# KiCad board SCART_switcher.kicad_pcb (continued)
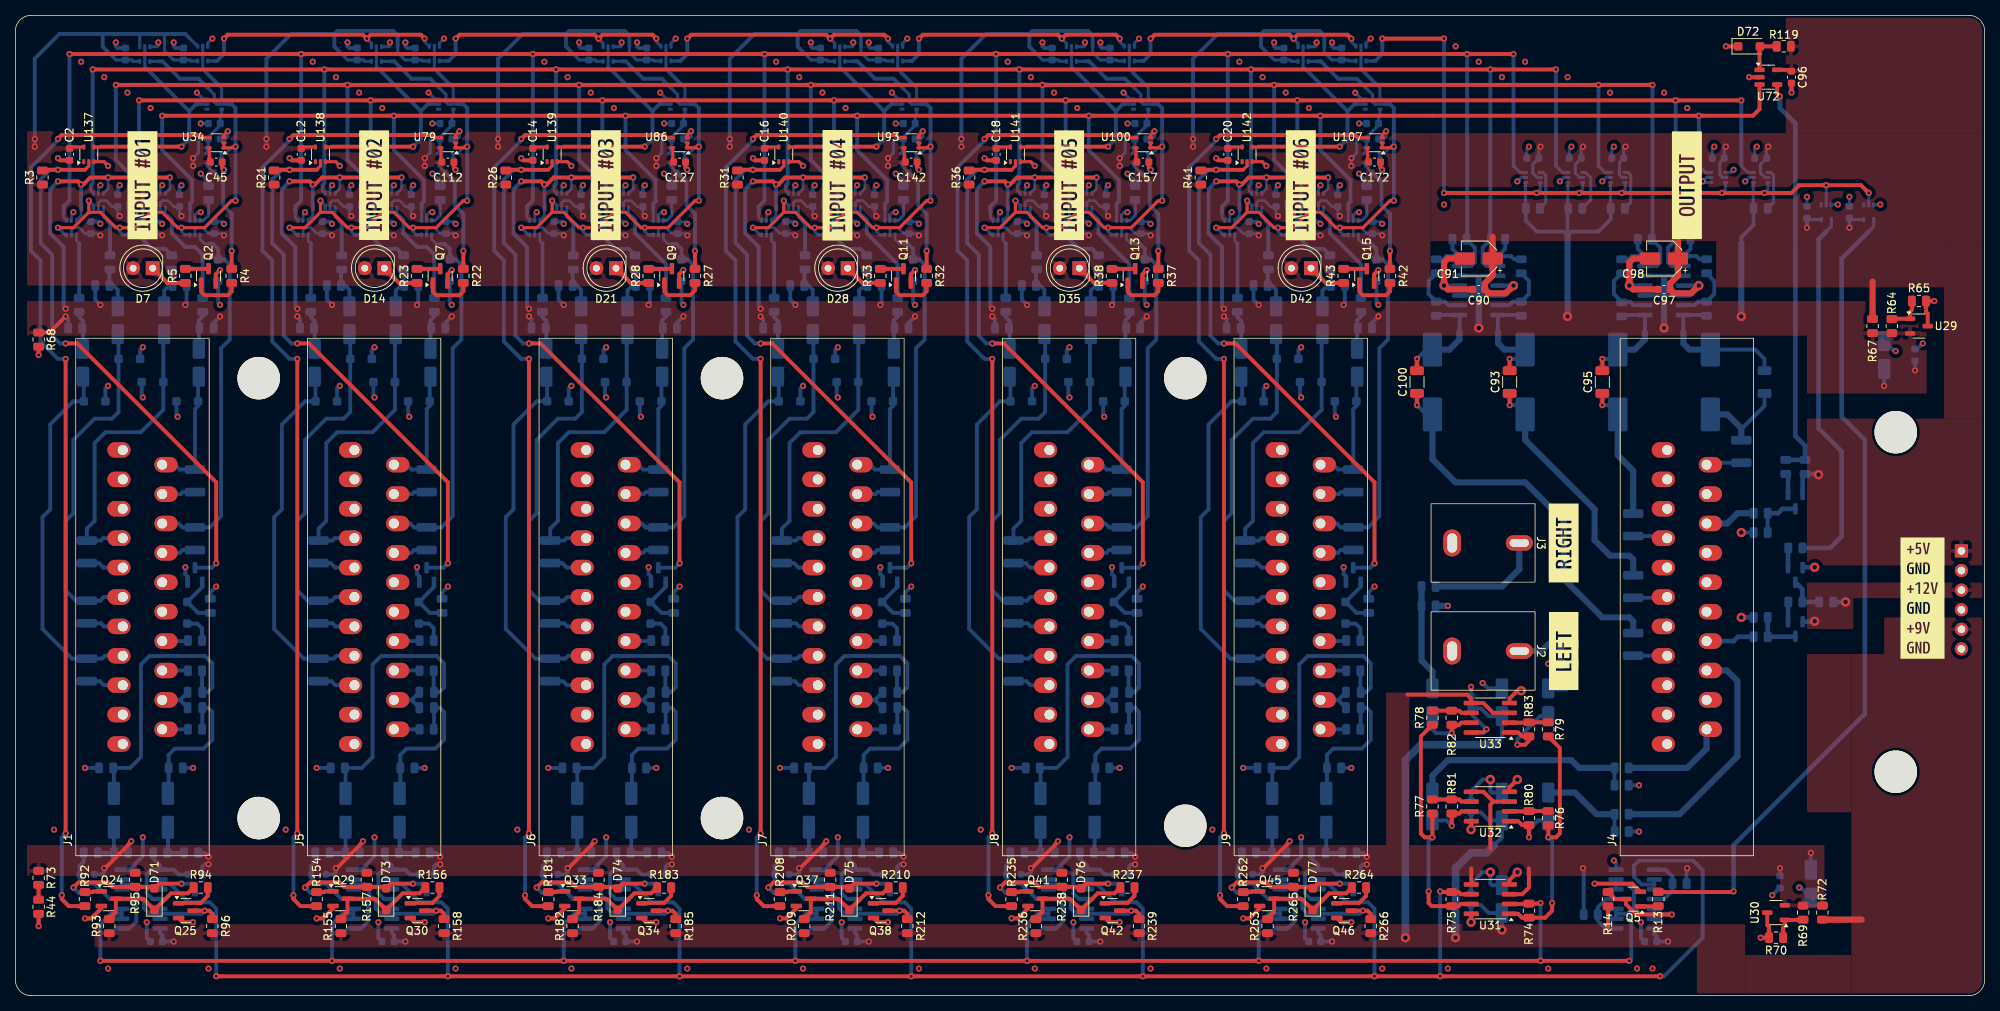
[diagram p0: board, top side]
## Nets (continued)
/SCART input 1/IN_ENABLE: U2.1 U2.2 U34.1 U34.2 U37.4 U60.6 U61.6 U62.6 U63.6 U64.6
/SCART input 1/RED_SCART_IN: C76.2 D1.1 J1.15 R106.1
/SCART input 1/VIDEO_RGB_SYNC_SCART_IN: C81.2 D4.1 J1.20 R114.1
/SCART input 2/Audio input stage/AUDIO_OUT_ENABLE: Q30.3 R158.2 U80.5 U80.6 U80.12 U80.13
/SCART input 2/Audio input stage/MUTE: D73.2 Q31.3 Q32.3 R157.1
/SCART input 2/AUDIO_LEFT_SCART_IN: J5.6 R159.1
/SCART input 2/AUDIO_RIGHT_SCART_IN: J5.2 R160.1
/SCART input 2/BLANKING_SCART_IN: D12.1 J5.16 R144.1 U76.4
/SCART input 2/BLUE_SCART_IN: C108.2 D10.1 J5.7 R148.1
/SCART input 2/CARRY_OUT: U41.4 U43.1 U44.1
/SCART input 2/FUNCTION_SCART_IN: J5.8 R19.1
/SCART input 2/GREEN_SCART_IN: C103.2 D9.1 J5.11 R140.1
/SCART input 2/IN_ACTIVE: U39.2 U40.2 U138.4
/SCART input 2/IN_ENABLE: U12.1 U12.2 U40.4 U74.6 U75.6 U76.6 U77.6 U78.6 U79.1 U79.2
/SCART input 2/RED_SCART_IN: C104.2 D8.1 J5.15 R141.1
/SCART input 2/VIDEO_RGB_SYNC_SCART_IN: C109.2 D11.1 J5.20 R149.1
/SCART input 3/Audio input stage/AUDIO_OUT_ENABLE: Q34.3 R185.2 U87.5 U87.6 U87.12 U87.13
/SCART input 3/Audio input stage/MUTE: D74.2 Q35.3 Q36.3 R184.1
/SCART input 3/AUDIO_LEFT_SCART_IN: J6.6 R186.1
/SCART input 3/AUDIO_RIGHT_SCART_IN: J6.2 R187.1
/SCART input 3/BLANKING_SCART_IN: D19.1 J6.16 R171.1 U83.4
/SCART input 3/BLUE_SCART_IN: C123.2 D17.1 J6.7 R175.1
/SCART input 3/CARRY_OUT: U44.4 U46.1 U47.1
/SCART input 3/FUNCTION_SCART_IN: J6.8 R24.1
/SCART input 3/GREEN_SCART_IN: C118.2 D16.1 J6.11 R167.1
/SCART input 3/IN_ACTIVE: U42.2 U43.2 U139.4
/SCART input 3/IN_ENABLE: U14.1 U14.2 U43.4 U81.6 U82.6 U83.6 U84.6 U85.6 U86.1 U86.2
/SCART input 3/RED_SCART_IN: C119.2 D15.1 J6.15 R168.1
/SCART input 3/VIDEO_RGB_SYNC_SCART_IN: C124.2 D18.1 J6.20 R176.1
/SCART input 4/Audio input stage/AUDIO_OUT_ENABLE: Q38.3 R212.2 U94.5 U94.6 U94.12 U94.13
/SCART input 4/Audio input stage/MUTE: D75.2 Q39.3 Q40.3 R211.1
/SCART input 4/AUDIO_LEFT_SCART_IN: J7.6 R213.1
/SCART input 4/AUDIO_RIGHT_SCART_IN: J7.2 R214.1
/SCART input 4/BLANKING_SCART_IN: D26.1 J7.16 R198.1 U90.4
/SCART input 4/BLUE_SCART_IN: C138.2 D24.1 J7.7 R202.1
/SCART input 4/CARRY_OUT: U47.4 U49.1 U50.1
/SCART input 4/FUNCTION_SCART_IN: J7.8 R29.1
/SCART input 4/GREEN_SCART_IN: C133.2 D23.1 J7.11 R194.1
/SCART input 4/IN_ACTIVE: U45.2 U46.2 U140.4
/SCART input 4/IN_ENABLE: U16.1 U16.2 U46.4 U88.6 U89.6 U90.6 U91.6 U92.6 U93.1 U93.2
/SCART input 4/RED_SCART_IN: C134.2 D22.1 J7.15 R195.1
/SCART input 4/VIDEO_RGB_SYNC_SCART_IN: C139.2 D25.1 J7.20 R203.1
/SCART input 5/Audio input stage/AUDIO_OUT_ENABLE: Q42.3 R239.2 U101.5 U101.6 U101.12 U101.13
/SCART input 5/Audio input stage/MUTE: D76.2 Q43.3 Q44.3 R238.1
/SCART input 5/AUDIO_LEFT_SCART_IN: J8.6 R240.1
/SCART input 5/AUDIO_RIGHT_SCART_IN: J8.2 R241.1
/SCART input 5/BLANKING_SCART_IN: D33.1 J8.16 R225.1 U97.4
/SCART input 5/BLUE_SCART_IN: C153.2 D31.1 J8.7 R229.1
/SCART input 5/CARRY_OUT: U50.4 U52.1 U53.1
/SCART input 5/FUNCTION_SCART_IN: J8.8 R34.1
/SCART input 5/GREEN_SCART_IN: C148.2 D30.1 J8.11 R221.1
/SCART input 5/IN_ACTIVE: U48.2 U49.2 U141.4
/SCART input 5/IN_ENABLE: U18.1 U18.2 U49.4 U95.6 U96.6 U97.6 U98.6 U99.6 U100.1 U100.2
/SCART input 5/RED_SCART_IN: C149.2 D29.1 J8.15 R222.1
/SCART input 5/VIDEO_RGB_SYNC_SCART_IN: C154.2 D32.1 J8.20 R230.1
/SCART input 6/Audio input stage/AUDIO_OUT_ENABLE: Q46.3 R266.2 U108.5 U108.6 U108.12 U108.13
/SCART input 6/Audio input stage/MUTE: D77.2 Q47.3 Q48.3 R265.1
/SCART input 6/AUDIO_LEFT_SCART_IN: J9.6 R267.1
/SCART input 6/AUDIO_RIGHT_SCART_IN: J9.2 R268.1
/SCART input 6/BLANKING_SCART_IN: D40.1 J9.16 R252.1 U104.4
/SCART input 6/BLUE_SCART_IN: C168.2 D38.1 J9.7 R256.1
/SCART input 6/CARRY_OUT: U3.2 U4.2 U5.6 U6.6 U7.6 U9.6 U10.6 U53.4
/SCART input 6/FUNCTION_SCART_IN: J9.8 R39.1
/SCART input 6/GREEN_SCART_IN: C163.2 D37.1 J9.11 R248.1
/SCART input 6/IN_ACTIVE: U51.2 U52.2 U142.4
/SCART input 6/IN_ENABLE: U20.1 U20.2 U52.4 U102.6 U103.6 U104.6 U105.6 U106.6 U107.1 U107.2
/SCART input 6/RED_SCART_IN: C164.2 D36.1 J9.15 R249.1
/SCART input 6/VIDEO_RGB_SYNC_SCART_IN: C169.2 D39.1 J9.20 R257.1
/SCART output/AUDIO_RCA_LEFT: J2.1 R91.2
/SCART output/AUDIO_RCA_RIGHT: J3.1 R90.2
/SCART output/AUDIO_SCART_OUT_LEFT: J4.6 R88.2
/SCART output/AUDIO_SCART_OUT_RIGHT: J4.2 R89.2
/SCART output/BLANKING_SCART_OUT: J4.16 R129.1
/SCART output/BLUE_SCART_OUT: J4.7 R138.2
/SCART output/FUNCTION_SCART_OUT: J4.8 R10.2
/SCART output/GREEN_SCART_OUT: J4.11 R130.2
/SCART output/RED_SCART_OUT: J4.15 R131.2
/SCART output/VIDEO_RGB_SYNC_SCART_OUT: J4.20 R139.2
/Silent input/AUDIO_OUT_ENABLE: Q5.3 R14.2 U8.5 U8.6 U8.12 U8.13
/VIDEO_RGB_SYNC: R133.1 U10.3 U64.1 U73.2 U78.1 U85.1 U92.1 U99.1 U106.1
Net-(C41-Pad1): C41.1 R80.2 U32.1
Net-(C41-Pad2): C41.2 R84.1 R88.1
Net-(C42-Pad1): C42.1 R81.2 U32.7
Net-(C42-Pad2): C42.2 R85.1 R89.1
Net-(C43-Pad1): C43.1 R82.2 U33.7
Net-(C43-Pad2): C43.2 R86.1 R90.1
Net-(C44-Pad1): C44.1 R83.2 U33.1
Net-(C44-Pad2): C44.2 R87.1 R91.1
Net-(C46-Pad1): C46.1 C48.2 R97.2 R99.1
Net-(C47-Pad1): C47.1 C49.2 R98.2 R100.1
Net-(C48-Pad1): C48.1 R101.1 R103.1
Net-(C49-Pad1): C49.1 R102.1 R104.1
Net-(C75-Pad1): C75.1 R107.1 R110.1
Net-(C76-Pad1): C76.1 R108.1 R111.1
Net-(C80-Pad1): C80.1 R115.1 R117.1
Net-(C81-Pad1): C81.1 R116.1 R118.1
Net-(C92-Pad1): C92.1 C93.2 R125.2 U71.7
Net-(C92-Pad2): C92.2 C93.1 R130.1
Net-(C94-Pad1): C94.1 C95.2 R126.2 U73.8
Net-(C94-Pad2): C94.2 C95.1 R131.1
Net-(C100-Pad1): C99.2 C100.1 R138.1
Net-(C100-Pad2): C99.1 C100.2 R136.2 U71.8
Net-(C101-Pad1): C101.1 C102.2 R137.2 U73.7
Net-(C101-Pad2): C101.2 C102.1 R139.1
Net-(C103-Pad1): C103.1 R142.1 R145.1
Net-(C104-Pad1): C104.1 R143.1 R146.1
Net-(C108-Pad1): C108.1 R150.1 R152.1
Net-(C109-Pad1): C109.1 R151.1 R153.1
Net-(C113-Pad1): C113.1 C115.2 R159.2 R161.1
Net-(C114-Pad1): C114.1 C116.2 R160.2 R162.1
Net-(C115-Pad1): C115.1 R163.1 R165.1
Net-(C116-Pad1): C116.1 R164.1 R166.1
Net-(C118-Pad1): C118.1 R169.1 R172.1
Net-(C119-Pad1): C119.1 R170.1 R173.1
Net-(C123-Pad1): C123.1 R177.1 R179.1
Net-(C124-Pad1): C124.1 R178.1 R180.1
Net-(C128-Pad1): C128.1 C130.2 R186.2 R188.1
Net-(C129-Pad1): C129.1 C131.2 R187.2 R189.1
Net-(C130-Pad1): C130.1 R190.1 R192.1
Net-(C131-Pad1): C131.1 R191.1 R193.1
Net-(C133-Pad1): C133.1 R196.1 R199.1
Net-(C134-Pad1): C134.1 R197.1 R200.1
Net-(C138-Pad1): C138.1 R204.1 R206.1
Net-(C139-Pad1): C139.1 R205.1 R207.1
Net-(C143-Pad1): C143.1 C145.2 R213.2 R215.1
Net-(C144-Pad1): C144.1 C146.2 R214.2 R216.1
Net-(C145-Pad1): C145.1 R217.1 R219.1
Net-(C146-Pad1): C146.1 R218.1 R220.1
Net-(C148-Pad1): C148.1 R223.1 R226.1
Net-(C149-Pad1): C149.1 R224.1 R227.1
Net-(C153-Pad1): C153.1 R231.1 R233.1
Net-(C154-Pad1): C154.1 R232.1 R234.1
Net-(C158-Pad1): C158.1 C160.2 R240.2 R242.1
Net-(C159-Pad1): C159.1 C161.2 R241.2 R243.1
Net-(C160-Pad1): C160.1 R244.1 R246.1
Net-(C161-Pad1): C161.1 R245.1 R247.1
Net-(C163-Pad1): C163.1 R250.1 R253.1
Net-(C164-Pad1): C164.1 R251.1 R254.1
Net-(C168-Pad1): C168.1 R258.1 R260.1
Net-(C169-Pad1): C169.1 R259.1 R261.1
Net-(C173-Pad1): C173.1 C175.2 R267.2 R269.1
Net-(C174-Pad1): C174.1 C176.2 R268.2 R270.1
Net-(C175-Pad1): C175.1 R271.1 R273.1
Net-(C176-Pad1): C176.1 R272.1 R274.1
Net-(D6-A): D6.2 Q1.1 R2.1
Net-(D6-K): D6.1 R1.2
Net-(D7-K): D7.1 R5.1
Net-(D13-A): D13.2 Q6.1 R20.1
Net-(D13-K): D13.1 R19.2
Net-(D14-K): D14.1 R23.1
Net-(D20-A): D20.2 Q8.1 R25.1
Net-(D20-K): D20.1 R24.2
Net-(D21-K): D21.1 R28.1
Net-(D27-A): D27.2 Q10.1 R30.1
Net-(D27-K): D27.1 R29.2
Net-(D28-K): D28.1 R33.1
Net-(D34-A): D34.2 Q12.1 R35.1
Net-(D34-K): D34.1 R34.2
Net-(D35-K): D35.1 R38.1
Net-(D41-A): D41.2 Q14.1 R40.1
Net-(D41-K): D41.1 R39.2
Net-(D42-K): D42.1 R43.1
Net-(D71-K): D71.1 Q24.3 R93.2 R94.1
Net-(D73-K): D73.1 Q29.3 R155.2 R156.1
Net-(D74-K): D74.1 Q33.3 R182.2 R183.1
Net-(D75-K): D75.1 Q37.3 R209.2 R210.1
Net-(D76-K): D76.1 Q41.3 R236.2 R237.1
Net-(D77-K): D77.1 Q45.3 R263.2 R264.1
Net-(Q1-C): Q1.3 R3.2 U137.2
Net-(Q2-B): Q2.1 R4.2
Net-(Q2-C): Q2.3 R5.2
Net-(Q3-B): Q3.1 R6.2
Net-(Q3-C): Q3.3 R7.2 R8.1
Net-(Q4-B): Q4.1 R8.2
Net-(Q4-C): Q4.3 R9.1 R10.1
Net-(Q5-B): Q5.1 R13.2
Net-(Q6-C): Q6.3 R21.2 U138.2
Net-(Q7-B): Q7.1 R22.2
Net-(Q7-C): Q7.3 R23.2
Net-(Q8-C): Q8.3 R26.2 U139.2
Net-(Q9-B): Q9.1 R27.2
Net-(Q9-C): Q9.3 R28.2
Net-(Q10-C): Q10.3 R31.2 U140.2
Net-(Q11-B): Q11.1 R32.2
Net-(Q11-C): Q11.3 R33.2
Net-(Q12-C): Q12.3 R36.2 U141.2
Net-(Q13-B): Q13.1 R37.2
Net-(Q13-C): Q13.3 R38.2
Net-(Q14-C): Q14.3 R41.2 U142.2
Net-(Q15-B): Q15.1 R42.2
Net-(Q15-C): Q15.3 R43.2
Net-(Q24-B): Q24.1 R92.2
Net-(Q25-B): Q25.1 R94.2
Net-(Q26-D): Q26.1 R103.2 U35.1 U35.4
Net-(Q27-D): Q27.1 R104.2 U35.8 U35.11
Net-(Q28-B): Q28.1 R127.2
Net-(Q28-C): Q28.3 R128.1 R129.2
Net-(Q29-B): Q29.1 R154.2
Net-(Q30-B): Q30.1 R156.2
Net-(Q31-D): Q31.1 R165.2 U80.1 U80.4
Net-(Q32-D): Q32.1 R166.2 U80.8 U80.11
Net-(Q33-B): Q33.1 R181.2
Net-(Q34-B): Q34.1 R183.2
Net-(Q35-D): Q35.1 R192.2 U87.1 U87.4
Net-(Q36-D): Q36.1 R193.2 U87.8 U87.11
Net-(Q37-B): Q37.1 R208.2
Net-(Q38-B): Q38.1 R210.2
Net-(Q39-D): Q39.1 R219.2 U94.1 U94.4
Net-(Q40-D): Q40.1 R220.2 U94.8 U94.11
Net-(Q41-B): Q41.1 R235.2
Net-(Q42-B): Q42.1 R237.2
Net-(Q43-D): Q43.1 R246.2 U101.1 U101.4
Net-(Q44-D): Q44.1 R247.2 U101.8 U101.11
Net-(Q45-B): Q45.1 R262.2
Net-(Q46-B): Q46.1 R264.2
Net-(Q47-D): Q47.1 R273.2 U108.1 U108.4
Net-(Q48-D): Q48.1 R274.2 U108.8 U108.11
Net-(R4-Pad1): R4.1 U2.4
Net-(R6-Pad1): R6.1 U3.4
Net-(R11-Pad1): R11.1 U5.4
Net-(R12-Pad1): R12.1 U6.4
Net-(R13-Pad1): R13.1 U4.4
Net-(R15-Pad1): R15.1 U8.1 U8.4
Net-(R16-Pad1): R16.1 U9.4
Net-(R17-Pad1): R17.1 U10.4
Net-(R18-Pad1): R18.1 U8.8 U8.11
Net-(R22-Pad1): R22.1 U12.4
Net-(R27-Pad1): R27.1 U14.4
Net-(R32-Pad1): R32.1 U16.4
Net-(R37-Pad1): R37.1 U18.4
Net-(R42-Pad1): R42.1 U20.4
Net-(R44-Pad1): R44.1 R73.2
Net-(R74-Pad2): R74.2 R76.1 R79.1 U31.1
Net-(R75-Pad2): R75.2 R77.1 R78.1 U31.7
Net-(R92-Pad1): R92.1 U34.4
Net-(R110-Pad2): R110.2 U60.4
Net-(R111-Pad2): R111.2 U61.4
Net-(R112-Pad1): R112.1 U62.3
Net-(R117-Pad2): R117.2 U63.4
Net-(R118-Pad2): R118.2 U64.4
Net-(R120-Pad2): R120.2 R122.1 U71.1
Net-(R121-Pad2): R121.2 R123.1 U73.14
Net-(R124-Pad2): R124.2 R127.1 U72.4
Net-(R132-Pad2): R132.2 R134.1 U71.14
Net-(R133-Pad2): R133.2 R135.1 U73.1
Net-(R145-Pad2): R145.2 U74.4
Net-(R146-Pad2): R146.2 U75.4
Net-(R147-Pad1): R147.1 U76.3
Net-(R152-Pad2): R152.2 U77.4
Net-(R153-Pad2): R153.2 U78.4
Net-(R154-Pad1): R154.1 U79.4
Net-(R172-Pad2): R172.2 U81.4
Net-(R173-Pad2): R173.2 U82.4
Net-(R174-Pad1): R174.1 U83.3
Net-(R179-Pad2): R179.2 U84.4
Net-(R180-Pad2): R180.2 U85.4
Net-(R181-Pad1): R181.1 U86.4
Net-(R199-Pad2): R199.2 U88.4
Net-(R200-Pad2): R200.2 U89.4
Net-(R201-Pad1): R201.1 U90.3
Net-(R206-Pad2): R206.2 U91.4
Net-(R207-Pad2): R207.2 U92.4
Net-(R208-Pad1): R208.1 U93.4
Net-(R226-Pad2): R226.2 U95.4
Net-(R227-Pad2): R227.2 U96.4
Net-(R228-Pad1): R228.1 U97.3
Net-(R233-Pad2): R233.2 U98.4
Net-(R234-Pad2): R234.2 U99.4
Net-(R235-Pad1): R235.1 U100.4
Net-(R253-Pad2): R253.2 U102.4
Net-(R254-Pad2): R254.2 U103.4
Net-(R255-Pad1): R255.1 U104.3
Net-(R260-Pad2): R260.2 U105.4
Net-(R261-Pad2): R261.2 U106.4
Net-(R262-Pad1): R262.1 U107.4
Net-(U29-FB): R64.2 R65.1 U29.1
Net-(U30-FB): R69.2 R70.1 U30.1
Net-(U32A--): R76.2 R80.1 U32.2
Net-(U32B--): R77.2 R81.1 U32.6
Net-(U33A--): R79.2 R83.1 U33.2
Net-(U33B--): R78.2 R82.1 U33.6
Net-(U36-Pad4): U36.4 U38.2
Net-(U39-Pad4): U39.4 U41.2
Net-(U42-Pad4): U42.4 U44.2
Net-(U45-Pad4): U45.4 U47.2
Net-(U48-Pad4): U48.4 U50.2
Net-(U51-Pad4): U51.4 U53.2
Net-(U71B--): R122.2 R125.1 U71.6
Net-(U71C--): R134.2 R136.1 U71.9
Net-(U73B--): R135.2 R137.1 U73.6
Net-(U73C--): R123.2 R126.1 U73.9

Pads without a net: J1 1 3 10 12 17 19; J4 1 3 10 12 17 19; J5 1 3 10 12 17 19; J6 1 3 10 12 17 19; J7 1 3 10 12 17 19; J8 1 3 10 12 17 19; J9 1 3 10 12 17 19; U3 1; U4 1; U36 1; U39 1; U42 1; U45 1; U48 1; U51 1; U137 1; U138 1; U139 1; U140 1; U141 1; U142 1

## Via types
v1: diameter 0.8, hole 0.4, Top to Bottom, 672 vias
v2: diameter 1.2, hole 0.6, Top to Bottom, 24 vias

## Routing (per net, layer and track width the routed paths; a pad name or vN(x,y) marks a point on that pad's centre or on a via; arc(x,y) is an arc through that point)
+2V5: length 440.6
  Top w0.5: v1(50,106) v1(46.5,106) v1(42,106) 39.7,106 38.8,105.1 v1(38.5,105.1) 38.1,105.5 v1(35.5,105.5) ; R68.1 3.01,85.9 4.4,85.9 v1(6.5,88) ; v1(110,106) v1(106.5,106) v1(102,106) 99.7,106 98.8,105.1 v1(98.5,105.1) 98.1,105.5 v1(95.5,105.5) ; v1(80,106) v1(76.5,106) v1(72,106) 69.7,106 68.8,105.1 v1(68.5,105.1) 68.1,105.5 v1(65.5,105.5) ; v1(170,106) v1(166.5,106) v1(162,106) 159.7,106 158.8,105.1 v1(158.5,105.1) 158.1,105.5 v1(155.5,105.5) ; v1(125.5,105.5) 128.1,105.5 v1(128.5,105.1) 128.8,105.1 129.7,106 v1(132,106) v1(136.5,106) v1(140,106) ; v1(5.5,105.5) 8.1,105.5 v1(8.5,105.1) 8.8,105.1 9.7,106 v1(12,106) v1(16.5,106) v1(20,106)
  Bottom w0.35: U61.3 16.5,101.05 16.5,102 ; U105.3 158.5,101.05 158.5,101.8 ; U88.3 102,104.55 v1(102,106) ; U91.3 98.5,101.05 98.5,101.8 ; U78.3 50,104.55 v1(50,106) ; U89.3 106.5,101.05 106.5,102 ; U92.3 110,104.55 v1(110,106) ; 46.5,102 46.5,101.05 U75.3 ; U74.3 42,104.55 v1(42,106) ; U106.3 170,104.55 v1(170,106) ; U84.3 68.5,101.05 68.5,101.8 ; 128.5,101.8 128.5,101.05 U98.3 ; U102.3 162,104.55 v1(162,106) ; U81.3 72,104.55 v1(72,106) ; U82.3 76.5,101.05 76.5,102 ; U77.3 38.5,101.05 38.5,101.8 ; U96.3 136.5,101.05 136.5,102 ; U95.3 132,104.55 v1(132,106) ; U85.3 80,104.55 v1(80,106) ; 166.5,102 166.5,101.05 U103.3 ; U99.3 140,104.55 v1(140,106) ; U63.3 8.5,101.05 8.5,101.8 ; U60.3 12,104.55 v1(12,106) ; U64.3 20,104.55 v1(20,106)
  Bottom w0.4: U9.1 195.55,102.04 R16.2 ; U5.1 201.05,102.04 R11.2 ; U10.1 225.05,102.04 R17.2 ; U6.1 206.55,102.04 R12.2
  Bottom w0.5: v1(35.5,105.5) 34.5,104.5 34.5,98.75 36.25,97 36.25,89.25 v1(36.5,89) ; U73.5 213.73,90.73 213.5,90.5 213.27,90.73 U73.10 ; U71.12 189.23,93.27 189.5,93 189.77,93.27 U71.3 ; R231.2 126.84,87.66 v1(126.5,88) ; 166.5,102 v1(166.5,106) ; v1(156.5,89) 156.25,89.25 156.25,97 154.5,98.75 154.5,104.5 v1(155.5,105.5) ; R150.2 36.84,87.66 v1(36.5,88) ; 16.5,102 v1(16.5,106) ; 98.5,101.8 v1(98.5,105.1) ; R223.2 130.34,90.16 v1(131,89.5) ; 25.7,86.5 25.7,87.2 v1(26.5,88) ; v1(161,89.5) 160.34,90.16 R250.2 ; v1(156.5,88) 156.84,87.66 R258.2 ; 201,98.5 200.5,99 197,99 195.59,100.41 R16.2 ; 201,98.5 201.5,99 205,99 206.59,100.59 R12.2 ; 201,98.5 201,101.91 R11.2 ; R196.2 100.34,90.16 v1(101,89.5) ; v1(112,89.5) 112.16,89.66 R197.2 ; v1(52,89.5) 52.16,89.66 R143.2 ; v1(142,89.5) 142.16,89.66 R224.2 ; v1(176.5,88) 175.7,87.2 175.7,86.5 ; 38.5,101.8 v1(38.5,105.1) ; 115.7,86.5 115.7,87.2 v1(116.5,88) ; 158.5,101.8 v1(158.5,105.1) ; 68.5,101.8 v1(68.5,105.1) ; 145.7,86.5 145.7,87.2 v1(146.5,88) ; R108.2 22.16,89.66 v1(22,89.5) ; 223.5,97.5 223.5,98.25 225.09,99.84 R17.2 ; v1(86.5,88) 85.7,87.2 85.7,86.5 ; R142.2 40.34,90.16 v1(41,89.5) ; U71.10 189.27,90.73 189.5,90.5 189.73,90.73 U71.5 ; 8.5,101.8 v1(8.5,105.1) ; v1(95.5,105.5) 94.5,104.5 94.5,98.75 96.25,97 96.25,89.25 v1(96.5,89) ; v1(242,79) C31.1 ; R169.2 70.34,90.16 v1(71,89.5) ; 46.5,102 v1(46.5,106) ; v1(82,89.5) 82.16,89.66 R170.2 ; v1(66.5,88) 66.84,87.66 R177.2 ; 136.5,102 v1(136.5,106) ; U73.12 213.23,93.27 213.5,93 213.77,93.27 U73.3 ; R115.2 6.84,87.66 v1(6.5,88) ; v1(56.5,88) 55.7,87.2 55.7,86.5 ; R204.2 96.84,87.66 v1(96.5,88) ; v1(125.5,105.5) 124.5,104.5 124.5,98.75 126.25,97 126.25,89.25 v1(126.5,89) ; 106.5,102 v1(106.5,106) ; R251.2 172.16,89.66 v1(172,89.5) ; v1(246,81) C30.1 ; v1(66.5,89) 66.25,89.25 66.25,97 64.5,98.75 64.5,104.5 v1(65.5,105.5) ; 76.5,102 v1(76.5,106) ; v1(6.5,89) 6.25,89.25 6.25,97 4.5,98.75 4.5,104.5 v1(5.5,105.5) ; R107.2 10.34,90.16 v1(11,89.5) ; 128.5,101.8 v1(128.5,105.1)
  Bottom w0.8: 189.5,93 v2(189.5,86.5) ; 213.5,93 v2(213.5,86.5) ; 201,98.5 v2(201,88) ; 223.5,97.5 v2(223.5,88)
+4V5: length 117.5
  Top w0.5: v1(135,20) 135,19.9 131.6,16.5 v1(131.5,16.5) ; v1(101.5,16.5) 101.6,16.5 105,19.9 v1(105,20) ; v1(41.5,16.5) 41.6,16.5 45,19.9 v1(45,20) ; 180.25,39 188,39 188.52,38.47 U33.5 190.09,37.9 191.36,36.63 U33.3 ; U31.5 188.52,16.47 ; v1(11.5,16.5) 11.6,16.5 15,19.9 v1(15,20) ; v1(161.5,16.5) 161.6,16.5 165,19.9 v1(165,20) ; 196,16.5 196,14 195.13,13.13 U31.3 ; U32.3 191.4,25.13 ; 191.4,25.13 191,24.74 191,19 ; 191.4,25.13 190.13,26.4 U32.5 ; v1(71.5,16.5) 71.6,16.5 75,19.9 v1(75,20)
  Bottom w0.5: R15.2 203.09,16.41 v1(203,16.5) ; v1(232.5,18.5) C34.1 ; R191.2 84.5,18.5 v1(85,18) ; v1(75,20) 74.57,19.57 74.57,18.5 ; Q26.2 11.2,15.7 11.5,16 v1(11.5,16.5) ; v1(165,20) 164.57,19.57 R271.2 ; v1(25,17) 24.5,17 24.2,16.7 Q27.2 ; v1(115,18) 114.5,18.5 R218.2 ; Q32.2 54.2,16.7 54.5,17 v1(55,17) ; v1(15,20) 14.57,19.57 R101.2 ; v1(71.5,16.5) 71.5,16 71.2,15.7 Q35.2 ; R245.2 144.5,18.5 v1(145,18) ; v1(175,17) 174.5,17 174.2,16.7 Q48.2 ; R163.2 44.57,19.57 v1(45,20) ; R164.2 54.5,18.5 v1(55,18) ; R244.2 134.57,19.57 v1(135,20) ; Q36.2 84.2,16.7 84.5,17 v1(85,17) ; R102.2 24.5,18.5 v1(25,18) ; v1(131.5,16.5) 131.5,16 131.2,15.7 Q43.2 ; v1(101.5,16.5) 101.5,16 101.2,15.7 Q39.2 ; v1(41.5,16.5) 41.5,16 41.2,15.7 Q31.2 ; 104.57,18.5 104.57,19.57 v1(105,20) ; v1(216.5,16.5) 216.41,16.41 R18.2 ; v1(115,17) 114.5,17 114.2,16.7 Q40.2 ; v1(145,17) 144.5,17 144.2,16.7 Q44.2 ; v1(228.5,16.5) C33.1 ; v1(175,18) 174.5,18.5 R272.2 ; Q47.2 161.2,15.7 161.5,16 v1(161.5,16.5)
+5V: length 580.7
  Top w0.4: U79.5 55.1,108.12 C112.1 ; C2.1 7.17,109.95 U137.5 ; U139.5 67.17,109.95 C14.1 ; C172.1 175.1,108.12 U107.5 ; U100.5 145.1,108.12 C157.1 ; U140.5 97.17,109.95 C16.1 ; U34.5 25.1,108.12 C45.1 ; C18.1 127.17,109.95 U141.5 ; U142.5 157.17,109.95 C20.1 ; U86.5 85.1,108.12 C127.1 ; C12.1 37.17,109.95 U138.5 ; U93.5 115.1,108.12 C142.1
  Top w0.5: U72.5 229.82,119.95 C96.1
  Top w0.8: v2(194,92) 193,91 190.77,91 C90.1 190.27,92.27 191.3,93.3 C91.1 191.3,98.3 ; R67.1 240.5,92.5 ; 215.3,98.3 C98.1 215.3,93.3 214.27,92.27 C97.1 214.77,91 217,91 v2(218,92)
  Bottom w0.35: U82.5 75.25,99.22 75.52,99.5 76.25,99.5 77.02,98.72 C121.1 78.77,98.72 v1(79,98.5) ; U88.5 100.75,102.72 101.02,103 101.75,103 102.52,102.22 C135.1 103.25,101.25 v1(103.5,101) ; U99.5 138.75,102.72 139.02,103 139.75,103 140.52,102.22 C156.1 141.25,101.25 v1(141.5,101) ; U76.5 53.25,99.22 53.52,99.5 54.25,99.5 55.02,98.72 C107.1 56.77,98.72 v1(57,98.5) ; U75.5 45.25,99.22 45.52,99.5 46.25,99.5 47.02,98.72 C106.1 48.77,98.72 v1(49,98.5) ; v1(163.5,101) 163.25,101.25 C165.1 162.52,102.22 161.75,103 161.02,103 160.75,102.72 U102.5 ; v1(51.5,101) 51.25,101.25 C111.1 50.52,102.22 49.75,103 49.02,103 48.75,102.72 U78.5 ; v1(27,98.5) 26.77,98.72 C79.1 25.02,98.72 24.25,99.5 23.52,99.5 23.25,99.22 U62.5 ; v1(87,98.5) 86.77,98.72 C122.1 85.02,98.72 84.25,99.5 83.52,99.5 83.25,99.22 U83.5 ; v1(41,98.5) 40.77,98.72 C110.1 39.02,98.72 38.25,99.5 37.52,99.5 37.25,99.22 U77.5 ; v1(43.5,101) 43.25,101.25 C105.1 42.52,102.22 41.75,103 41.02,103 40.75,102.72 U74.5 ; U105.5 157.25,99.22 157.52,99.5 158.25,99.5 159.02,98.72 C170.1 160.77,98.72 v1(161,98.5) ; U92.5 108.75,102.72 109.02,103 109.75,103 110.52,102.22 C141.1 111.25,101.25 v1(111.5,101) ; U104.5 173.25,99.22 173.52,99.5 174.25,99.5 175.02,98.72 C167.1 176.77,98.72 v1(177,98.5) ; U64.5 18.75,102.72 19.02,103 19.75,103 20.52,102.22 C83.1 21.25,101.25 v1(21.5,101) ; v1(139,98.5) 138.77,98.72 C151.1 137.02,98.72 136.25,99.5 135.52,99.5 135.25,99.22 U96.5 ; v1(147,98.5) 146.77,98.72 C152.1 145.02,98.72 144.25,99.5 143.52,99.5 143.25,99.22 U97.5 ; v1(11,98.5) 10.77,98.72 C82.1 9.02,98.72 8.25,99.5 7.52,99.5 7.25,99.22 U63.5 ; U103.5 165.25,99.22 165.52,99.5 166.25,99.5 167.02,98.72 C166.1 168.77,98.72 v1(169,98.5) ; U81.5 70.75,102.72 71.02,103 71.75,103 72.52,102.22 C120.1 73.25,101.25 v1(73.5,101) ; v1(133.5,101) 133.25,101.25 C150.1 132.52,102.22 131.75,103 131.02,103 130.75,102.72 U95.5 ; U84.5 67.25,99.22 67.52,99.5 68.25,99.5 69.02,98.72 C125.1 70.77,98.72 v1(71,98.5) ; v1(117,98.5) 116.77,98.72 C137.1 115.02,98.72 114.25,99.5 113.52,99.5 113.25,99.22 U90.5 ; U98.5 127.25,99.22 127.52,99.5 128.25,99.5 129.02,98.72 C155.1 130.77,98.72 v1(131,98.5) ; U106.5 168.75,102.72 169.02,103 169.75,103 170.52,102.22 C171.1 171.25,101.25 v1(171.5,101) ; U89.5 105.25,99.22 105.52,99.5 106.25,99.5 107.02,98.72 C136.1 108.77,98.72 v1(109,98.5) ; U85.5 78.75,102.72 79.02,103 79.75,103 80.52,102.22 C126.1 81.25,101.25 v1(81.5,101) ; U61.5 15.25,99.22 15.52,99.5 16.25,99.5 17.02,98.72 C78.1 18.77,98.72 v1(19,98.5) ; v1(13.5,101) 13.25,101.25 C77.1 12.52,102.22 11.75,103 11.02,103 10.75,102.72 U60.5 ; U91.5 97.25,99.22 97.52,99.5 98.25,99.5 99.02,98.72 C140.1 100.77,98.72 v1(101,98.5)
  Bottom w0.4: U50.5 142.7,121.1 142.57,121.22 C65.1 140.47,121.22 139.5,122.2 139.5,123 ; C13.1 84.97,110.12 84.8,109.95 U14.5 ; C13.1 83.9,111 83.7,110.8 83.7,109.2 v1(83,108.5) v1(83,107.5) ; C13.1 84.97,111.22 86.52,112.77 C57.1 86.52,113.87 86.7,114.05 U42.5 ; C3.1 232.17,100.55 U3.5 ; U37.5 15.25,121.05 15.07,121.22 C52.1 13.02,121.22 12,122.25 ; U51.5 176.7,114.05 176.52,113.87 C66.1 176.52,112.77 174.97,111.22 C19.1 ; v1(23,107.5) v1(23,108.5) 23.7,109.2 23.7,110.8 23.9,111 C1.1 ; v1(197.5,110) 197.27,109.77 C8.1 196.5,107.72 196.5,106.57 197.07,106 U9.5 ; U6.5 208.07,106 207.72,106.34 207.72,107.95 C6.1 208.27,109.77 v1(208.5,110) ; C1.1 24.97,111.22 26.52,112.77 C51.1 26.52,113.87 26.7,114.05 U36.5 ; C1.1 24.97,110.12 24.8,109.95 U2.5 ; C15.1 114.97,111.22 116.52,112.77 C60.1 116.52,113.87 116.7,114.05 U45.5 ; C15.1 113.9,111 113.7,110.8 113.7,109.2 v1(113,108.5) v1(113,107.5) ; C15.1 114.97,110.12 114.8,109.95 U16.5 ; C19.1 173.9,111 173.7,110.8 173.7,109.2 v1(173,108.5) v1(173,107.5) ; C19.1 174.97,110.12 174.8,109.95 U20.5 ; C11.1 54.97,111.22 56.52,112.77 C54.1 56.52,113.87 56.7,114.05 U39.5 ; C11.1 53.9,111 53.7,110.8 53.7,109.2 v1(53,108.5) v1(53,107.5) ; C11.1 54.97,110.12 54.8,109.95 U12.5 ; U10.5 226.57,106 226,106.57 226,107.72 C9.1 226.77,109.77 v1(227,110) ; v1(143,107.5) v1(143,108.5) 143.7,109.2 143.7,110.8 143.9,111 C17.1 ; U52.5 165.25,121.05 165.07,121.22 C67.1 163.02,121.22 162,122.25 ; 72,122.25 73.02,121.22 C58.1 75.07,121.22 75.25,121.05 U43.5 ; 42,122.25 43.02,121.22 C55.1 45.07,121.22 45.25,121.05 U40.5 ; U47.5 112.7,121.1 112.57,121.22 C62.1 110.47,121.22 109.5,122.2 109.5,123 ; U44.5 82.7,121.1 82.57,121.22 C59.1 80.47,121.22 79.5,122.2 79.5,123 ; v1(203,110) 202.77,109.77 C5.1 202,107.72 202,106.57 202.57,106 U5.5 ; 49.5,123 49.5,122.2 50.47,121.22 C56.1 52.57,121.22 52.7,121.1 U41.5 ; 132,122.25 133.02,121.22 C64.1 135.07,121.22 135.25,121.05 U49.5 ; U4.5 237.67,100.55 C4.1 ; v1(221.5,110) 221.27,109.77 C7.1 220.72,107.95 220.72,106.34 221.07,106 U7.5 ; 102,122.25 103.02,121.22 C61.1 105.07,121.22 105.25,121.05 U46.5 ; C17.1 144.97,110.12 144.8,109.95 U18.5 ; C17.1 144.97,111.22 146.52,112.77 C63.1 146.52,113.87 146.7,114.05 U48.5 ; U38.1 22.55,124.05 ; U53.5 172.7,121.1 172.57,121.22 C68.1 170.47,121.22 169.5,122.2 169.5,123 ; U38.5 22.7,121.1 22.57,121.22 C53.1 20.47,121.22 19.3,122.4 19.3,124.6 ; U37.1 16.1,124.6
  Bottom w0.5: v1(152.5,110) v1(152.5,111) 152.5,121.4 155.7,124.6 161.3,124.6 ; 42,122.25 41.3,122.95 41.3,124.6 ; 11.3,124.6 22,124.6 22.55,124.05 ; 11.3,124.6 11.3,122.95 12,122.25 ; 11.3,124.6 5.7,124.6 2.5,121.4 v1(2.5,111) v1(2.5,110) ; 131.3,124.6 131.7,125 138.9,125 139.5,124.4 139.5,123 ; 131.3,124.6 131.3,122.95 132,122.25 ; 131.3,124.6 125.7,124.6 122.5,121.4 v1(122.5,111) v1(122.5,110) ; 101.3,124.6 101.7,125 108.9,125 109.5,124.4 109.5,123 ; 101.3,124.6 101.3,122.95 102,122.25 ; 101.3,124.6 95.7,124.6 92.5,121.4 v1(92.5,111) v1(92.5,110) ; 71.3,124.6 71.3,122.95 72,122.25 ; 71.3,124.6 71.7,125 78.9,125 79.5,124.4 79.5,123 ; 71.3,124.6 65.7,124.6 62.5,121.4 v1(62.5,111) v1(62.5,110) ; 41.3,124.6 35.7,124.6 32.5,121.4 v1(32.5,111) v1(32.5,110) ; 41.3,124.6 41.7,125 48.9,125 49.5,124.4 49.5,123 ; v1(237.5,99.5) C4.1 ; 161.3,124.6 161.7,125 168.9,125 169.5,124.4 169.5,123 ; 161.3,124.6 161.3,122.95 162,122.25 ; U71.4 v2(194,92) ; v1(232,99.5) C3.1 ; U73.4 v2(218,92)
  Bottom w0.6: Q28.2 231.45,67.29 R124.1 233.41,67.59 v2(233.5,67.5)
+9V: length 117.1
  Top w0.5: U32.8 188.52,21.52 v2(188.5,21.5) ; R14.1 206.25,8.75 ; v2(188.5,9.5) 188.52,9.52 U31.8 ; v1(190.5,34.5) 190.09,34.09 U33.8
  Top w0.8: R72.1 239.09,9.84
  Bottom w0.5: v1(110.5,7) C147.1 109.02,7.82 108.72,8.12 U94.14 ; 192,33 192.5,33.5 C40.1 190.8,36.2 189.77,37.22 C37.1 188.5,36.5 v1(190.5,34.5) ; v1(170.5,7) C177.1 169.02,7.82 168.72,8.12 U108.14 ; v2(188.5,21.5) C36.1 189.77,23.72 190.8,22.7 C39.1 192.5,20.5 191.5,19.5 ; U8.14 212.22,7.97 212.52,7.67 C10.1 v1(214,7) ; v2(188.5,9.5) C35.1 189.77,11.72 190.8,10.7 C38.1 v2(192.5,8.5) ; U80.14 48.72,8.12 49.02,7.82 C117.1 v1(50.5,7) ; v1(20.5,7) C50.1 19.02,7.82 18.72,8.12 U35.14 ; v1(140.5,7) C162.1 139.02,7.82 138.72,8.12 U101.14 ; v1(80.5,7) C132.1 79.02,7.82 78.72,8.12 U87.14
  Bottom w1: 192,33 191.5,32.5 182,32.5 180,30.5 v2(180,7.5) ; v2(186.5,7.5) 186.5,16.5 188.5,18.5 190.5,18.5 191.5,19.5
+12V: length 3.2
  Bottom w0.6: v2(233,48.5) 232.94,48.44 Q4.2 ; R7.1 v2(237,51)
/SCART output/Video output stage/0.7V: length 5.3
  Top w0.5: U72.1 225.86,122.96 D72.2 R119.2
GND: length 673.5
  Top w0.4: v1(87.5,112) 87,111.5 U86.3 ; v1(102,107.5) 101.45,108.05 U140.3 ; v1(72,107.5) 71.45,108.05 U139.3 ; v1(177.5,112) 177,111.5 U107.3 ; v1(27.5,112) 27,111.5 U34.3 ; U137.3 11.45,108.05 v1(12,107.5) ; U142.3 161.45,108.05 v1(162,107.5) ; U79.3 57,111.5 v1(57.5,112) ; v1(117.5,112) 117,111.5 U93.3 ; U138.3 41.45,108.05 v1(42,107.5) ; v1(132,107.5) 131.45,108.05 U141.3 ; v1(147.5,112) 147,111.5 U100.3